# Altium PCB OLD_DIOT_temperature_logger.PcbDoc (part 4 of 6) (continued)
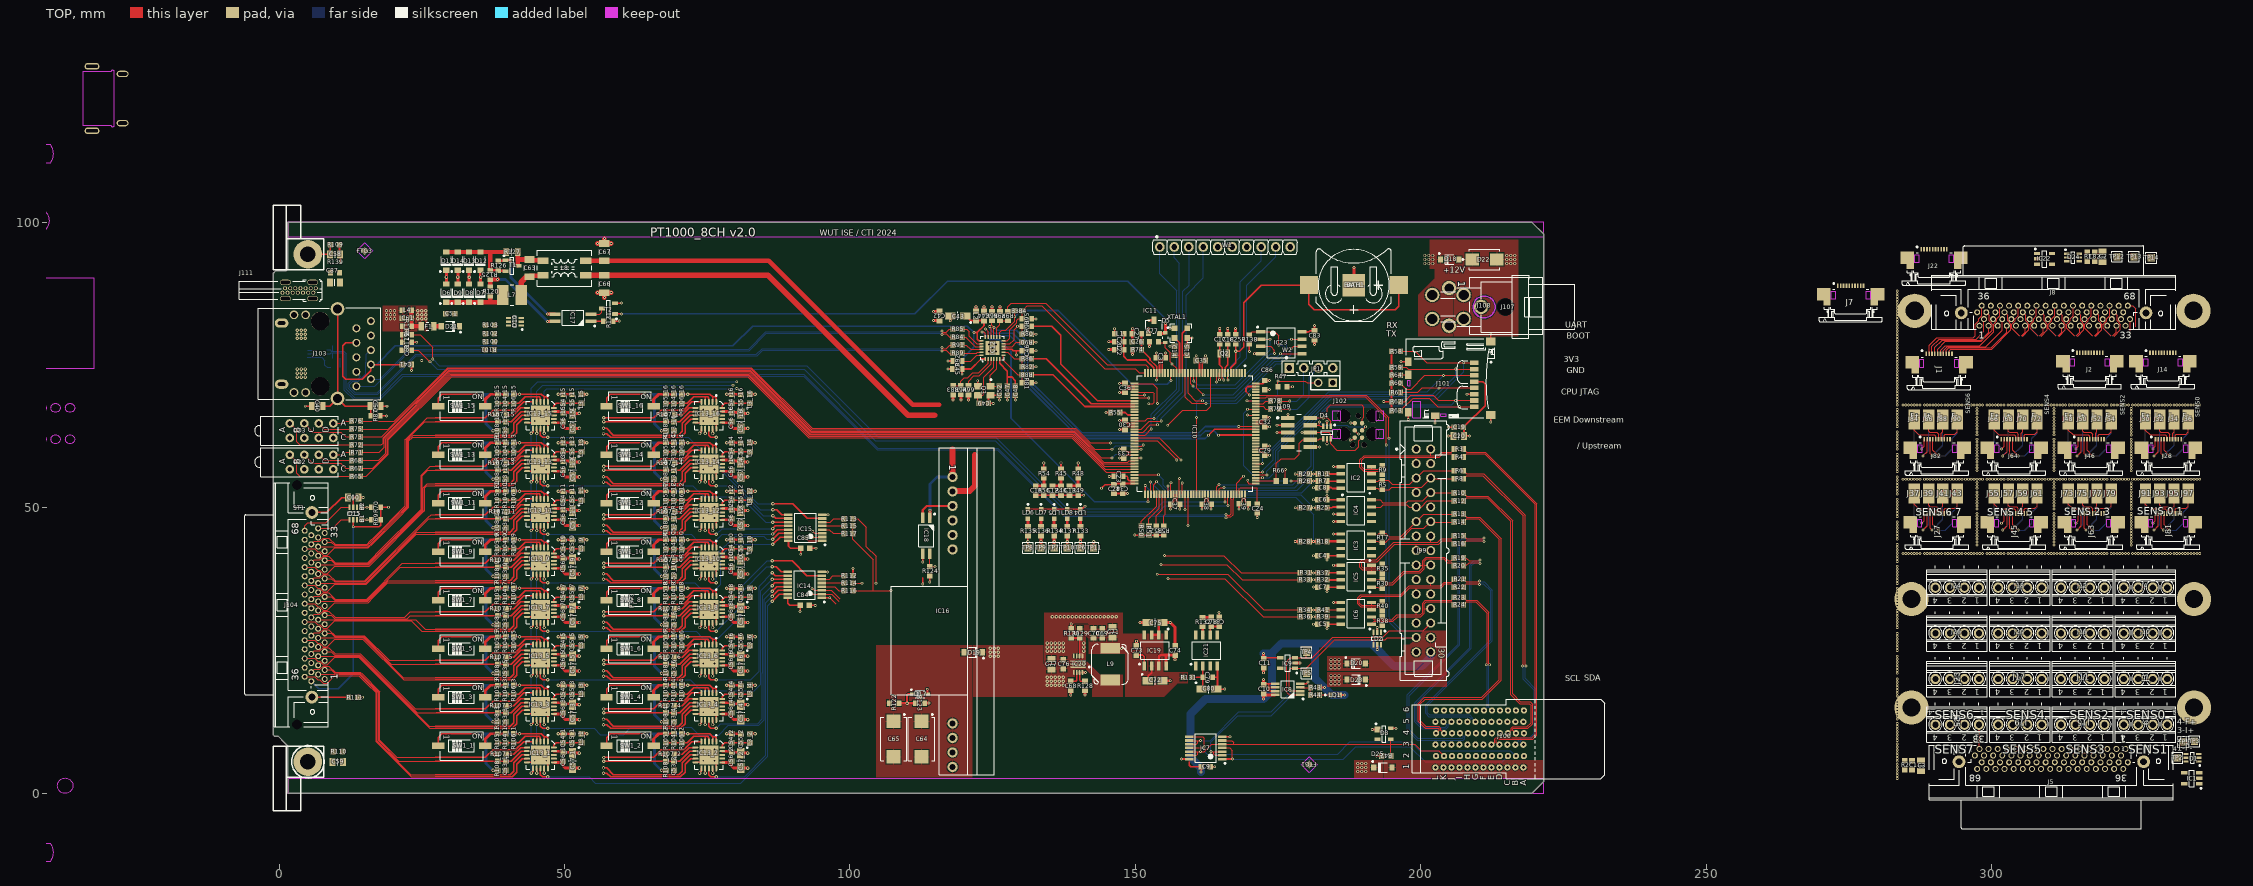
[diagram p0: TOP view]
## Nets (pads, with @x,y where several pads share a name; then routed paths per layer and width w, separated by ;. In a path a pad name is that pad's centre, name@x,y a point inside that pad or via, vN(x,y) a via of type N, cw(c..) or ccw(c..) an arc to the next point about the centre after c; other vN are vias at no path point) (continued)
LVDS1_N: IC2.1 J99.6 R5.1 R8.2 | length 16
  TOP w0.152: IC2.1@191.4,53.395 192.529,53.395 192.724,53.2 R5.1@193.3,53.2 194.5,53.2 194.938,53.638 200.208,53.638 J99.6@201.77,55.2 ; J99.6@201.27,55.2 J99.6@201.77,55.2 ; R8.2@205.9,55.1 201.87,55.1 J99.6@201.77,55.2
LVDS1_P: IC2.2 J99.5 R5.2 R6.2 | length 15.9
  TOP w0.152: IC2.2@191.4,54.665 192.589,54.665 192.724,54.8 R5.2@193.3,54.8 194.3,54.8 195.019,54.081 198.11,54.081 J99.5@199.23,55.2 200.53,56.5 R6.2@205.9,56.5
LVDS2_N: IC4.7 J99.9 R12.2 | length 15.3
  TOP w0.152: IC4.7@191.4,50.135 193.035,50.135 193.45,50.55 197.6,50.55 198.03,50.12 J99.9@199.23,50.12 200.07,50.12 201.15,51.2 R12.2@205.9,51.2
LVDS2_P: IC4.8 J99.8 R10.2 | length 15.4
  TOP w0.152: IC4.8@191.4,51.405 192.92,51.405 193.403,50.922 197.522,50.922 197.825,51.225 200.335,51.225 J99.8@201.77,52.66 J99.8@201.83,52.6 ; J99.8@201.33,52.6 201.77,52.6 205.4,52.6
LVDS3_N: IC3.3 J99.12 R14.2 R17.1 | length 16.1
  TOP w0.152: IC3.3@191.4,44.135 192.529,44.135 192.724,43.94 R17.1@193.3,43.94 193.876,43.94 194.524,44.588 196.668,44.588 198.455,46.375 200.565,46.375 J99.12@201.69,47.5 ; J99.12@201.35,47.5 J99.12@201.69,47.5 ; 205.4,47.5 J99.12@201.85,47.5 ; J99.12@201.69,47.5 J99.12@201.85,47.5 ; J99.12@201.69,47.5 J99.12@201.77,47.58 J99.12@201.85,47.5
LVDS3_P: IC3.4 J99.11 R13.2 R17.2 | length 16.5
  TOP w0.152: IC3.4@191.4,45.405 192.589,45.405 192.724,45.54 R17.2@193.3,45.54 193.876,45.54 194.524,44.892 196.542,44.892 J99.11@199.23,47.58 200.55,48.9 R13.2@205.9,48.9
LVDS4_N: IC5.4 J99.15 R16.2 R35.2 | length 24.9
  TOP w0.152: IC5.4@191.4,39.905 191.4,39.452 ; 191.976,39.452 191.4,39.452 ; R35.2@193.3,40.1 192.652,39.452 191.4,39.452 ; J99.15@199.23,42.5 199.23,43.646 ; R16.2@205.9,43.7 205.352,44.248 203.773,44.248 203.171,43.646 199.23,43.646 ; 191.4,39.452 189.923,39.452 189.675,39.7 189.675,40.35 189.875,40.55 192.38,40.55 195.476,43.646 199.23,43.646
LVDS4_P: IC5.3 J99.14 R15.2 R35.1 | length 25.3
  TOP w0.152: IC5.3@191.4,38.635 191.4,39.148 ; R35.1@193.3,38.5 192.652,39.148 191.4,39.148 ; J99.14@201.77,45.04 201.77,43.925 ; R15.2@205.9,45.1 205.352,44.552 203.647,44.552 203.02,43.925 201.77,43.925 ; 191.4,39.148 189.797,39.148 189.371,39.574 189.371,40.476 189.749,40.854 192.254,40.854 195.325,43.925 201.77,43.925
LVDS5_N: IC5.1 J99.18 R20.2 R30.1 | length 19
  TOP w0.152: IC5.1@191.4,36.095 192.529,36.095 192.724,35.9 R30.1@193.3,35.9 193.948,36.548 195.148,36.548 197.196,38.596 199.896,38.596 200.654,39.354 200.654,39.96 ; J99.18@201.77,39.96 200.654,39.96 ; R20.2@205.9,39.9 205.402,40.398 204.699,40.398 204.047,41.05 201.08,41.05 200.654,40.624 200.654,39.96
LVDS5_P: IC5.2 J99.17 R19.2 R30.2 | length 19
  TOP w0.152: IC5.2@191.4,37.365 192.589,37.365 192.724,37.5 R30.2@193.3,37.5 193.948,36.852 195.022,36.852 197.07,38.9 199.77,38.9 200.35,39.48 200.35,39.96 ; J99.17@199.23,39.96 200.35,39.96 ; R19.2@205.9,41.2 205.402,40.702 204.825,40.702 204.173,41.354 200.954,41.354 200.35,40.75 200.35,39.96
LVDS6_N: IC6.4 J99.21 R22.2 R40.2 | length 24.8
  TOP w0.152: IC6.4@191.4,33.405 191.4,32.904 ; R40.2@193.3,33.6 193.25,33.6 192.876,33.226 192.876,33.176 192.604,32.904 192.296,32.904 191.4,32.904 ; J99.21@199.23,34.88 199.23,36 ; R22.2@205.9,36.1 205.352,36.648 204.273,36.648 203.714,36.089 203.625,36 199.23,36 ; 191.4,32.904 189.646,32.904 189.275,33.275 189.275,34.1 189.675,34.5 196.63,34.5 198.13,36 199.23,36
LVDS6_P: IC6.3 J99.20 R21.2 R40.1 | length 25.8
  TOP w0.152: IC6.3@191.4,32.135 191.4,32.625 ; R40.1@193.3,32 193.25,32 192.876,32.374 192.876,32.424 192.675,32.625 192.307,32.625 191.4,32.625 ; J99.20@201.77,37.42 201.77,36.304 ; R21.2@205.9,37.5 205.352,36.952 204.147,36.952 203.499,36.304 201.77,36.304 ; 191.4,32.625 189.495,32.625 188.971,33.149 188.971,34.226 189.549,34.804 196.504,34.804 197.915,36.215 198.004,36.304 201.77,36.304
LVDS7_N: IC6.1 J99.24 R24.2 R38.1 | length 19.1
  TOP w0.152: IC6.1@191.4,29.595 191.883,30.078 193.331,30.078 ; R38.1@193.3,29.4 193.3,30.047 193.331,30.078 ; 200.7,32.34 J99.24@201.77,32.34 ; R24.2@205.9,33 205.9,33.05 205.452,33.498 200.973,33.498 200.629,33.154 200.629,32.34 200.629,31.522 200.057,30.95 199.23,30.95 195.955,30.95 195.083,30.078 193.331,30.078
LVDS7_P: IC6.2 J99.23 R23.2 R38.2 | length 19
  TOP w0.152: IC6.2@191.4,30.865 191.883,30.382 193.264,30.382 ; R38.2@193.3,31 193.293,30.993 193.293,30.411 193.264,30.382 ; J99.23@199.23,32.34 199.23,31.254 ; R23.2@205.9,34.3 205.9,34.25 205.452,33.802 200.847,33.802 200.35,33.305 200.35,32.34 200.35,31.638 199.967,31.254 199.23,31.254 ; 193.264,30.382 194.957,30.382 195.74,31.165 195.829,31.254 199.23,31.254
MAX_CH_A0: IC10.81 IC14.1 IC15.1 R31.1 | length 127.5
  TOP w0.2: v3(92.3,44.65) 92.725,44.225 IC15.1@95.15,44.225 ; v3(96.475,34.225) 97.5,33.2 ; v3(155.1,41.636) 165.514,41.636 168.55,38.6 R31.1@178.9,38.6 ; IC10.81@155.75,52.375 v3(155.75,53.8)
  TOP w0.3: IC14.1@95.05,34.225 v3(96.475,34.225)
  MID1 w0.2: v3(92.3,44.65) 91.9,44.25 91.9,35.075 92.75,34.225 v3(96.475,34.225) 97.35,34.225 100.65,37.525 104.675,37.525 105.425,36.775 105.425,35.35 106.428,34.347 152.6,34.347 155.1,36.847 v3(155.1,41.636) 155.1,53.15 v3(155.75,53.8)
MAX_CH_A1: IC10.82 IC14.2 IC15.2 R33.1 | length 129.7
  TOP w0.2: v3(93.4,34.875) IC14.2@95.05,34.875 96.825,34.875 98.075,33.625 ; v3(93.5,44.85) 93.525,44.875 IC15.2@95.15,44.875 ; v3(154.5,40.046) 166.079,40.046 168.725,37.4 R33.1@178.9,37.4 ; IC10.82@156.25,52.375 v3(156.25,54.375)
  MID1 w0.2: v3(93.5,44.85) 92.525,43.875 92.525,35.725 93.375,34.875 v3(93.4,34.875) 97.35,34.875 100.5,38.025 104.9,38.025 105.825,37.1 105.825,35.473 106.65,34.648 152.475,34.648 154.5,36.673 v3(154.5,40.046) 154.5,53.676 155.199,54.375 v3(156.25,54.375)
MAX_CH_A2: IC10.85 IC14.3 IC15.3 R34.1 | length 135.6
  TOP w0.2: v3(93.4,35.875) 93.75,35.525 IC14.3@95.05,35.525 96.775,35.525 98.25,34.05 ; v3(93.5,45.875) 93.55,45.825 93.55,45.8 93.825,45.525 IC15.3@95.15,45.525 ; v3(153.85,38.35) 166.25,38.35 172.5,32.1 R34.1@178.9,32.1 ; IC10.85@157.75,52.375 v3(157.75,55.125)
  MID1 w0.2: v3(93.5,45.875) 94.025,45.875 94.3,45.6 94.3,44.45 93,43.15 93,36.275 v3(93.4,35.875) 97.7,35.875 100.25,38.425 105.35,38.425 106.2,37.575 106.2,35.525 106.775,34.95 152.35,34.95 153.85,36.45 153.85,53.675 155.3,55.125 v3(157.75,55.125)
MAX_CH_A3: IC10.86 R36.1 R113.1 R114.1 | length 118.5
  TOP w0.2: R114.1@100.55,36.8 102.125,36.8 v3(102.15,36.775) ; R113.1@100.55,48.049 101.426,48.049 102.875,46.6 102.875,43.2 104.61,41.465 v3(104.61,36.775) ; v3(155.727,37.6) 165.725,37.6 172.425,30.9 R36.1@178.911,30.9 ; IC10.86@158.25,52.375 v3(158.25,54.35)
  MID1 w0.2: v3(102.15,36.775) v3(104.61,36.775) 104.61,35.415 106.101,33.924 152.699,33.924 155.725,36.95 155.725,52.275 157.8,54.35 v3(158.25,54.35)
MAX_CS00: IC13_1.13 IC14.15 | length 74.2
  TOP w0.254: IC13_1.13@45.8,4.35 45.8,3.225 46.175,2.85 v4(47.1,2.85) ; v4(86.4,33.6) 87.675,34.875 IC14.15@89.15,34.875
  BOT w0.2: v4(47.1,2.85) 54.325,2.85 55.4,1.775 80.9,1.775 85.608,6.483 85.608,13.728 85.608,20.7 85.608,32.808 v4(86.4,33.6)
MAX_CS01: IC13_2.13 IC14.14 | length 44.3
  TOP w0.254: IC13_2.13@75.3,4.35 75.3,3.225 75.675,2.85 v4(76.6,2.85) ; v4(86.4,34.467) 87.458,35.525 IC14.14@89.15,35.525
  BOT w0.2: v4(76.6,2.85) 81.548,2.85 85.306,6.608 85.306,13.501 85.306,33.373 v4(86.4,34.467)
MAX_CS02: IC13_3.13 IC14.13 | length 69.3
  TOP w0.254: IC13_3.13@45.8,12.85 45.8,11.725 46.175,11.35 v4(47.1,11.35) ; v4(86.4,35.4) 87.175,36.175 IC14.13@89.15,36.175
  BOT w0.2: v4(47.1,11.35) 55.2,11.35 56.3,10.25 60.361,10.25 61.636,11.525 72.225,11.525 73.6,10.15 77,10.15 78.723,11.873 83.973,11.873 84.025,11.925 85,12.9 85,20.945 85.005,20.95 85.005,34.005 v4(86.4,35.4)
MAX_CS03: IC13_4.13 IC14.12 | length 38.4
  TOP w0.254: IC13_4.13@75.3,12.85 75.3,11.725 75.675,11.35 v4(76.6,11.35) ; v4(86.4,36.36) 86.865,36.825 IC14.12@89.15,36.825
  BOT w0.2: v4(76.6,11.35) 77.425,12.175 83.848,12.175 84.698,13.025 84.698,21.07 84.703,21.075 84.703,34.663 v4(86.4,36.36)
MAX_CS04: IC13_5.13 IC14.11 | length 63.1
  TOP w0.254: IC13_5.13@45.8,21.35 45.8,20.225 46.175,19.85 v4(47.1,19.85) ; v4(86.4,37.448) 86.427,37.475 IC14.11@89.15,37.475
  BOT w0.2: v4(47.1,19.85) 72.05,19.85 73.95,17.95 83.275,17.95 84.397,19.072 84.397,21.195 84.402,21.2 84.402,35.45 v4(86.4,37.448)
MAX_CS05: IC13_6.13 IC14.10 | length 31.9
  TOP w0.254: IC13_6.13@75.3,21.35 75.3,20.225 75.675,19.85 v4(76.6,19.85) ; v4(86.427,38.6) 86.902,38.125 IC14.10@89.15,38.125
  BOT w0.2: v4(76.6,19.85) 82.625,19.85 84.1,21.325 84.1,36.273 v4(86.427,38.6)
MAX_CS06: IC13_7.13 IC14.9 | length 52.9
  TOP w0.254: IC13_7.13@45.8,29.85 45.8,28.725 46.175,28.35 v4(47.1,28.35) ; v4@86.427,39.65 87.075,39.65 87.95,38.775 IC14.9@89.15,38.775
  BOT w0.2: v4(47.1,28.35) 73.075,28.35 74.168,27.257 77.057,27.257 81.052,31.252 81.052,35.226 85.477,39.651 v4(86.427,39.651)
MAX_CS07: IC13_8.13 IC14.7 | length 29.2
  TOP w0.254: IC13_8.13@75.3,29.85 75.3,28.725 75.675,28.35 v4(76.6,28.35) ; v4(86.427,40.702) 89.898,40.702 92.475,38.125 IC14.7@95.05,38.125
  BOT w0.2: v4(76.6,28.35) 80.75,32.5 80.75,35.875 85.577,40.702 v4(86.427,40.702)
MAX_CS08: IC13_9.13 IC15.15 | length 51.9
  TOP w0.254: IC13_9.13@45.8,38.35 45.8,37.225 46.175,36.85 v4(47.1,36.85) ; v4(86.5,43.6) 87.775,44.875 IC15.15@89.25,44.875
  BOT w0.2: v4(47.1,36.85) 72.859,36.85 73.989,35.72 76.475,35.72 77.4,36.645 77.4,41.607 79.393,43.6 v4(86.5,43.6)
MAX_CS09: IC13_10.13 IC15.14 | length 22.1
  TOP w0.254: IC13_10.13@75.3,38.35 75.3,37.225 75.675,36.85 v4(76.6,36.85) ; v4(86.5,44.467) 87.558,45.525 IC15.14@89.25,45.525
  BOT w0.2: v4(76.6,36.85) 76.6,41.732 79.893,45.025 84.908,45.025 85.467,44.467 v4(86.5,44.467)
MAX_CS10: IC13_11.13 IC15.13 | length 46.1
  TOP w0.254: IC13_11.13@45.8,46.85 45.8,45.725 46.175,45.35 v4(47.1,45.35) ; v4(86.5,45.4) 87.275,46.175 IC15.13@89.25,46.175
  BOT w0.2: v4(47.1,45.35) 72.188,45.35 73.399,44.139 76.414,44.139 77.675,45.4 v4(86.5,45.4)
MAX_CS11: IC13_12.13 IC15.12 | length 15.8
  TOP w0.254: IC13_12.13@75.3,46.85 75.3,45.725 75.675,45.35 v4(76.6,45.35) ; v4(86.5,46.36) 86.965,46.825 IC15.12@89.25,46.825
  BOT w0.2: v4(76.6,45.35) 77.61,46.36 v4(86.5,46.36)
MAX_CS12: IC13_13.13 IC15.11 | length 47.4
  TOP w0.254: IC13_13.13@45.8,55.35 45.8,54.225 46.175,53.85 v4(47.1,53.85) ; v4(86.5,47.448) 86.527,47.475 IC15.11@89.25,47.475
  BOT w0.2: v4(47.1,53.85) 72.523,53.85 74.437,51.936 80.789,51.936 85.277,47.448 v4(86.5,47.448)
MAX_CS13: IC13_14.13 IC15.10 | length 17.6
  TOP w0.254: IC13_14.13@75.3,55.35 75.3,54.225 75.675,53.85 v4(76.6,53.85) ; v4(86.527,48.6) 87.002,48.125 IC15.10@89.25,48.125
  BOT w0.2: v4(76.6,53.85) 79.55,53.85 84.8,48.6 v4(86.527,48.6)
MAX_CS14: IC13_15.13 IC15.9 | length 50.4
  TOP w0.254: IC13_15.13@45.8,63.85 45.8,62.725 46.175,62.35 v4(47.1,62.35) ; v4@86.527,49.65 87.175,49.65 88.05,48.775 IC15.9@89.25,48.775
  BOT w0.2: v4(47.1,62.35) 71.65,62.35 84.349,49.651 v4(86.527,49.651)
MAX_CS15: IC13_16.13 IC15.7 | length 29.6
  TOP w0.254: IC13_16.13@75.3,63.85 75.3,62.725 75.675,62.35 v4(76.6,62.35) ; v4(86.527,50.702) 89.998,50.702 92.575,48.125 IC15.7@95.15,48.125
  BOT w0.2: v4(76.6,62.35) 76.6,60.4 76.6,57.975 83.873,50.702 v4(86.527,50.702)
NetC2_2: C2.2 J5.70
NetC3_2: C3.2 J8.70
NetC14_1: C14.1 IC10.24 XTAL1.3 | length 9.3
  TOP w0.3: C14.1@156.9,76.7 157.723,76.7 157.75,76.673 157.75,78.9 XTAL1.3@156.9,79.75 ; IC10.24@157.75,73.625 157.75,78.673
NetC15_1: C15.1 IC10.23 XTAL1.1 | length 11
  TOP w0.3: IC10.23@158.25,73.625 158.25,78.673 ; C15.1@159.1,76.7 158.277,76.7 158.25,76.673 158.25,80.6 XTAL1.1@159.1,81.45
NetC23_2: C23.2 IC10.71 | length 2.5
  TOP w0.254: C23.2@147.85,55.5 148.576,55.5 148.725,55.351 148.725,55 148.975,54.75 IC10.71@149.875,54.75
NetC24_2: C24.2 IC10.106 | length 7
  TOP w0.2: IC10.106@168.25,52.375 168.25,53.4 168.4,53.55 171.25,53.55 171.4,53.4 C24.2@171.4,50.65
NetC40_1: C40.1 C50.1 J103.S1 J103.S2 R87.2 | length 27
  TOP w0.254: C40.1@7.6,67.8 8.895,67.8 J103.S2@10.25,69.155 ; J103.S1@10.25,84.845 J103.S2@10.25,69.155 ; R87.2@16.1,66.1 16.1,67.7 C50.1@16,67.8 11.605,67.8 J103.S2@10.25,69.155
NetC47_2: C47.2 C48.2 IC12.6 | length 8
  TOP w0.3: IC12.6@126.25,76.1 126.25,75.3 127.6,73.95 127.6,72.906 ; C47.2@127.6,71.3 127.6,72.906 ; C48.2@129,71.3 129,72.273 128.348,72.925 127.619,72.925 127.6,72.906
NetC49_2: C49.2 IC12.4 Q3.3 | length 9.6
  TOP w0.2: C49.2@122.7,68.3 122.425,68.575 Q3.3@122.425,69.711 123.286,69.711 123.5,69.925 123.5,72.9 125.25,74.65 IC12.4@125.25,76.1
NetC52_2: C52.2 IC12.5 Q3.1 | length 7
  TOP w0.2: IC12.5@125.75,76.1 125.75,74.375 124.625,73.25 Q3.1@124.625,71.311 124.636,71.3 126.025,71.3 C52.2@126.2,71.3 126.189,71.311 C52.2@126.025,71.311
NetC58_1: C58.1 R109.2 ST1.1 | length 5.6
  TOP w0.254: ST1.1@5.056,94.412 8.888,94.412 9,94.524 R109.2@9,96.1
NetC59_1: C59.1 R110.2
NetC60_2: C60.2 J104.70 | length 7.4
  TOP w0.254: J104.70@5.75,49.175 8.359,49.175 10.984,51.8 C60.2@12.1,51.8
NetC61_2: C61.2 D16.5 F1.1 L4.1 R118.2 | length 11.9
  TOP w0.8: L4.1@23.2,84.6 C61.2@23.2,83.2 R118.2@23.2,81.8 F1.1@24.9,81.8
  MID1 w0.127: v3(25,75.825) v2@25,83.2
  other v2: 24.3,83.125 25,83.125 25.7,83.125 24.3,83.825 25,83.825 25.7,83.825 24.3,84.525 25,84.525 25.7,84.525
NetC63_1: C63.1 L8.1 R127.2 T1.3 | length 6.9
  TOP w0.8: R127.2@41.8,94.8 41.8,93.5 ; T1.3@41.825,92.5 41.825,92.525 41.8,92.55 41.8,93.5 ; L8.1@46.25,93.27 46.135,93.385 44.015,93.385 C63.1@43.9,93.5 41.8,93.5
NetC63_2: C63.2 L7.2 L8.2 | length 6.2
  TOP w0.8: C63.2@44.015,90.615 46.135,90.615 L8.2@46.25,90.73
  TOP w1: L7.2@42.4,87.3 L7.2@42.732,87.632 ; L7.2@42.425,88 42.425,89.549 43.377,90.5 C63.2@43.9,90.5
NetC66_2: C66.2 IC16.1 IC18.1 L8.3 | length 86.5
  TOP w0.5: IC18.1@114.035,48.25 v1(114.035,49.575)
  TOP w1: L8.3@53.75,90.73 57,90.73 85.645,90.73 110.175,66.2 114.85,66.2 ; IC16.1@118,55.406 118,60.225
  BOT w0.5: v1(114.035,49.575) 114.035,54.16 115.281,55.406 IC16.1@118,55.406
NetC67_2: C67.2 IC16.2 L8.4 | length 82.1
  TOP w0.8: L8.4@53.75,93.27 57,93.27 85.78,93.27 111,68.05 115.675,68.05
  TOP w1: IC16.2@118,52.866 118.077,52.943 121.018,52.943 121.9,53.825 121.9,59.25
NetC68_2: C68.2 IC20.9 | length 2.4
  TOP w0.254: C68.2@138.8,19.6 139.6,19.6 139.75,19.75 IC20.9@139.75,21.15
NetC73_2: C73.2 IC19.1 | length 3.1
  TOP w0.3: C73.2@150.2,24.2 151.3,24.2 151.595,23.905 IC19.1@151.595,22.3
NetC78_2: C78.2 R132.2 | length 1.5
  TOP w0.5: R132.2@161.8,30.8 C78.2@163.3,30.8
NetC79_2: C79.2 C80.1 IC21.2 R131.2 | length 6.1
  TOP w0.254: R131.2@160,20.3 C79.2@161.865,20.3 ; C80.1@161.6,18.225 161.865,18.49 C79.2@161.865,20.3 ; IC21.2@161.865,22.3 C79.2@161.865,20.3 ; C79.2@161.9,20.3 C79.2@161.865,20.3
NetC87_2: C87.2 J111.SHIELD R139.1
NetIC2_6: IC2.6 R11.2 | length 2.4
  TOP w0.3: R11.2@183.6,55.9 183.635,55.935 IC2.6@186,55.935
NetIC2_7: IC2.7 R7.2 | length 2.4
  TOP w0.3: R7.2@183.6,54.7 183.635,54.665 IC2.7@186,54.665
NetIC3_6: IC3.6 R18.2 | length 2.4
  TOP w0.2: R18.2@183.6,44.1 R18.2@183.635,44.135
  TOP w0.5: R18.2@183.635,44.135 IC3.6@186,44.135
NetIC4_2: IC4.2 R25.2 | length 2.5
  TOP w0.3: R25.2@183.6,50 184.465,50 184.6,50.135 IC4.2@186,50.135
NetIC5_6: IC5.6 R37.2 | length 2.4
  TOP w0.3: R37.2@183.6,38.6 183.635,38.635 IC5.6@186,38.635
NetIC5_7: IC5.7 R32.2 | length 2.4
  TOP w0.3: R32.2@183.6,37.4 183.635,37.365 IC5.7@186,37.365
NetIC6_6: IC6.6 R41.2 | length 2.4
  TOP w0.127: R41.2@183.6,32.1 183.635,32.135 IC6.6@186,32.135
NetIC6_7: IC6.7 R39.2 | length 2.4
  TOP w0.127: R39.2@183.6,30.9 183.635,30.865 IC6.7@186,30.865
NetIC8_3: IC8.3 R43.1 R44.1 | length 3.1
  TOP w0.127: IC8.3@178.9,18.525 178.925,18.5 R43.1@180.7,18.5 R44.1@180.7,17.2
NetIC10_48: IC10.48 R55.1 | length 2.8
  TOP w0.3: R55.1@147.3,66.7 148.25,66.7 148.7,66.25 IC10.48@149.875,66.25
NetIC12_7: IC12.7 R81.1 R88.2 | length 6.7
  TOP w0.2: IC12.7@126.9,76.75 126.9,75.825 129.425,73.3 R88.2@130.2,73.3 R81.1@130.2,71.9
NetIC12_8: IC12.8 R82.1 R86.2 | length 5.2
  TOP w0.2: IC12.8@126.9,77.25 127.65,77.25 128.8,76.1 R86.2@130.2,76.1 R82.1@130.2,74.7
NetIC12_10: IC12.10 R90.2 | length 3.6
  TOP w0.2: IC12.10@126.9,78.25 128.425,78.25 129.175,79 R90.2@130.2,79
NetIC12_11: IC12.11 R80.1 R93.2 | length 7
  TOP w0.2: IC12.11@126.9,78.75 128.05,78.75 128.775,79.475 128.775,81.175 v1(129.4,81.8) R93.2@130.2,81.8 R80.1@130.2,80.4
NetIC12_14: IC12.14 R96.2 R97.2 | length 4.5
  TOP w0.2: IC12.14@125.75,79.9 125.75,81.55 126.3,82.1 R96.2@126.3,82.8 R97.2@127.7,82.8
NetIC12_24: IC12.24 R92.1 | length 3.9
  TOP w0.2: R92.1@119.65,75.7 121.175,75.7 122.225,76.75 IC12.24@123.1,76.75
NetIC13_1_1: IC13_1.1 IC13_1.2 R106_1.1 R108_1.1 SW1_1.1 | length 31.6
  TOP w0.254: SW1_1.1@27.875,8.3 27.875,9.725 28.55,10.4 v2(34.6,10.4) ; R106_1.1@40.958,10.4 R106_1.1@41.1,10.4 v4(42.125,10.4) 45.975,10.4 46.45,9.925 ; IC13_1.2@46.45,9.05 46.45,9.925 ; IC13_1.1@47.1,9.05 47.1,9.715 46.89,9.925 46.45,9.925
  TOP w0.5: v4(37.5,4) R108_1.1@38.3,4
  BOT w0.5: v2(34.6,10.4) 36.275,10.4 ; v4(37.5,4) 36.275,5.225 36.275,10.4 ; v4(42.125,10.4) 36.275,10.4
NetIC13_1_3: IC13_1.3 IC13_1.4 R104_1.2 R105_1.2 R106_1.2 | length 9.6
  TOP w0.254: R105_1.2@38.3,8.8 R104_1.2@39.7,8.8 R106_1.2@41.1,8.8 42.025,8.8 43.175,9.95 45.15,9.95 ; IC13_1.4@45.15,9.05 45.15,9.95 ; IC13_1.3@45.8,9.05 45.8,9.725 45.575,9.95 45.15,9.95
NetIC13_1_6: IC13_1.6 R107_1.2 | length 4.1
  TOP w0.254: R107_1.2@39.8,6.8 41.15,6.8 42.35,8 IC13_1.6@43.45,8
NetIC13_2_1: IC13_2.1 IC13_2.2 R106_2.1 R108_2.1 SW1_2.1 | length 31.6
  TOP w0.254: SW1_2.1@57.375,8.3 57.375,9.725 58.05,10.4 v2(64.1,10.4) ; R106_2.1@70.458,10.4 R106_2.1@70.6,10.4 v4(71.625,10.4) 75.475,10.4 75.95,9.925 ; IC13_2.2@75.95,9.05 75.95,9.925 ; IC13_2.1@76.6,9.05 76.6,9.715 76.39,9.925 75.95,9.925
  TOP w0.5: v4(67,4) R108_2.1@67.8,4
  BOT w0.5: v2(64.1,10.4) 65.775,10.4 ; v4(67,4) 65.775,5.225 65.775,10.4 ; v4(71.625,10.4) 65.775,10.4
NetIC13_2_3: IC13_2.3 IC13_2.4 R104_2.2 R105_2.2 R106_2.2 | length 9.6
  TOP w0.254: R105_2.2@67.8,8.8 R104_2.2@69.2,8.8 R106_2.2@70.6,8.8 71.525,8.8 72.675,9.95 74.65,9.95 ; IC13_2.4@74.65,9.05 74.65,9.95 ; IC13_2.3@75.3,9.05 75.3,9.725 75.075,9.95 74.65,9.95
NetIC13_2_6: IC13_2.6 R107_2.2 | length 4.1
  TOP w0.254: R107_2.2@69.3,6.8 70.65,6.8 71.85,8 IC13_2.6@72.95,8
NetIC13_3_1: IC13_3.1 IC13_3.2 R106_3.1 R108_3.1 SW1_3.1 | length 31.6
  TOP w0.254: SW1_3.1@27.875,16.8 27.875,18.225 28.55,18.9 v2(34.6,18.9) ; R106_3.1@40.958,18.9 R106_3.1@41.1,18.9 v4(42.125,18.9) 45.975,18.9 46.45,18.425 ; IC13_3.2@46.45,17.55 46.45,18.425 ; IC13_3.1@47.1,17.55 47.1,18.215 46.89,18.425 46.45,18.425
  TOP w0.5: v4(37.5,12.5) R108_3.1@38.3,12.5
  BOT w0.5: v2(34.6,18.9) 36.275,18.9 ; v4(37.5,12.5) 36.275,13.725 36.275,18.9 ; v4(42.125,18.9) 36.275,18.9
NetIC13_3_3: IC13_3.3 IC13_3.4 R104_3.2 R105_3.2 R106_3.2 | length 9.6
  TOP w0.254: R105_3.2@38.3,17.3 R104_3.2@39.7,17.3 R106_3.2@41.1,17.3 42.025,17.3 43.175,18.45 45.15,18.45 ; IC13_3.4@45.15,17.55 45.15,18.45 ; IC13_3.3@45.8,17.55 45.8,18.225 45.575,18.45 45.15,18.45
NetIC13_3_6: IC13_3.6 R107_3.2 | length 4.1
  TOP w0.254: R107_3.2@39.8,15.3 41.15,15.3 42.35,16.5 IC13_3.6@43.45,16.5
NetIC13_4_1: IC13_4.1 IC13_4.2 R106_4.1 R108_4.1 SW1_4.1 | length 31.6
  TOP w0.254: SW1_4.1@57.375,16.8 57.375,18.225 58.05,18.9 v2(64.1,18.9) ; R106_4.1@70.458,18.9 R106_4.1@70.6,18.9 v4(71.625,18.9) 75.475,18.9 75.95,18.425 ; IC13_4.2@75.95,17.55 75.95,18.425 ; IC13_4.1@76.6,17.55 76.6,18.215 76.39,18.425 75.95,18.425
  TOP w0.5: v4(67,12.5) R108_4.1@67.8,12.5
  BOT w0.5: v2(64.1,18.9) 65.775,18.9 ; v4(67,12.5) 65.775,13.725 65.775,18.9 ; v4(71.625,18.9) 65.775,18.9
NetIC13_4_3: IC13_4.3 IC13_4.4 R104_4.2 R105_4.2 R106_4.2 | length 9.6
  TOP w0.254: R105_4.2@67.8,17.3 R104_4.2@69.2,17.3 R106_4.2@70.6,17.3 71.525,17.3 72.675,18.45 74.65,18.45 ; IC13_4.4@74.65,17.55 74.65,18.45 ; IC13_4.3@75.3,17.55 75.3,18.225 75.075,18.45 74.65,18.45
NetIC13_4_6: IC13_4.6 R107_4.2 | length 4.1
  TOP w0.254: R107_4.2@69.3,15.3 70.65,15.3 71.85,16.5 IC13_4.6@72.95,16.5
NetIC13_5_1: IC13_5.1 IC13_5.2 R106_5.1 R108_5.1 SW1_5.1 | length 31.6
  TOP w0.254: SW1_5.1@27.875,25.3 27.875,26.725 28.55,27.4 v2(34.6,27.4) ; R106_5.1@40.958,27.4 R106_5.1@41.1,27.4 v4(42.125,27.4) 45.975,27.4 46.45,26.925 ; IC13_5.2@46.45,26.05 46.45,26.925 ; IC13_5.1@47.1,26.05 47.1,26.715 46.89,26.925 46.45,26.925
  TOP w0.5: v4(37.5,21) R108_5.1@38.3,21
  BOT w0.5: v2(34.6,27.4) 36.275,27.4 ; v4(37.5,21) 36.275,22.225 36.275,27.4 ; v4(42.125,27.4) 36.275,27.4
NetIC13_5_3: IC13_5.3 IC13_5.4 R104_5.2 R105_5.2 R106_5.2 | length 9.6
  TOP w0.254: R105_5.2@38.3,25.8 R104_5.2@39.7,25.8 R106_5.2@41.1,25.8 42.025,25.8 43.175,26.95 45.15,26.95 ; IC13_5.4@45.15,26.05 45.15,26.95 ; IC13_5.3@45.8,26.05 45.8,26.725 45.575,26.95 45.15,26.95
NetIC13_5_6: IC13_5.6 R107_5.2 | length 4.1
  TOP w0.254: R107_5.2@39.8,23.8 41.15,23.8 42.35,25 IC13_5.6@43.45,25
NetIC13_6_1: IC13_6.1 IC13_6.2 R106_6.1 R108_6.1 SW1_6.1 | length 31.6
  TOP w0.254: SW1_6.1@57.375,25.3 57.375,26.725 58.05,27.4 v2(64.1,27.4) ; R106_6.1@70.458,27.4 R106_6.1@70.6,27.4 v4(71.625,27.4) 75.475,27.4 75.95,26.925 ; IC13_6.2@75.95,26.05 75.95,26.925 ; IC13_6.1@76.6,26.05 76.6,26.715 76.39,26.925 75.95,26.925
  TOP w0.5: v4(67,21) R108_6.1@67.8,21
  BOT w0.5: v2(64.1,27.4) 65.775,27.4 ; v4(67,21) 65.775,22.225 65.775,27.4 ; v4(71.625,27.4) 65.775,27.4
NetIC13_6_3: IC13_6.3 IC13_6.4 R104_6.2 R105_6.2 R106_6.2 | length 9.6
  TOP w0.254: R105_6.2@67.8,25.8 R104_6.2@69.2,25.8 R106_6.2@70.6,25.8 71.525,25.8 72.675,26.95 74.65,26.95 ; IC13_6.4@74.65,26.05 74.65,26.95 ; IC13_6.3@75.3,26.05 75.3,26.725 75.075,26.95 74.65,26.95
NetIC13_6_6: IC13_6.6 R107_6.2 | length 4.1
  TOP w0.254: R107_6.2@69.3,23.8 70.65,23.8 71.85,25 IC13_6.6@72.95,25
NetIC13_7_1: IC13_7.1 IC13_7.2 R106_7.1 R108_7.1 SW1_7.1 | length 31.6
  TOP w0.254: SW1_7.1@27.875,33.8 27.875,35.225 28.55,35.9 v2(34.6,35.9) ; R106_7.1@40.958,35.9 R106_7.1@41.1,35.9 v4(42.125,35.9) 45.975,35.9 46.45,35.425 ; IC13_7.2@46.45,34.55 46.45,35.425 ; IC13_7.1@47.1,34.55 47.1,35.215 46.89,35.425 46.45,35.425
  TOP w0.5: v4(37.5,29.5) R108_7.1@38.3,29.5
  BOT w0.5: v2(34.6,35.9) 36.275,35.9 ; v4(37.5,29.5) 36.275,30.725 36.275,35.9 ; v4(42.125,35.9) 36.275,35.9
NetIC13_7_3: IC13_7.3 IC13_7.4 R104_7.2 R105_7.2 R106_7.2 | length 9.6
  TOP w0.254: R105_7.2@38.3,34.3 R104_7.2@39.7,34.3 R106_7.2@41.1,34.3 42.025,34.3 43.175,35.45 45.15,35.45 ; IC13_7.4@45.15,34.55 45.15,35.45 ; IC13_7.3@45.8,34.55 45.8,35.225 45.575,35.45 45.15,35.45
NetIC13_7_6: IC13_7.6 R107_7.2 | length 4.1
  TOP w0.254: R107_7.2@39.8,32.3 41.15,32.3 42.35,33.5 IC13_7.6@43.45,33.5
NetIC13_8_1: IC13_8.1 IC13_8.2 R106_8.1 R108_8.1 SW1_8.1 | length 31.6
  TOP w0.254: SW1_8.1@57.375,33.8 57.375,35.225 58.05,35.9 v2(64.1,35.9) ; R106_8.1@70.458,35.9 R106_8.1@70.6,35.9 v4(71.625,35.9) 75.475,35.9 75.95,35.425 ; IC13_8.2@75.95,34.55 75.95,35.425 ; IC13_8.1@76.6,34.55 76.6,35.215 76.39,35.425 75.95,35.425
  TOP w0.5: v4(67,29.5) R108_8.1@67.8,29.5
  BOT w0.5: v2(64.1,35.9) 65.775,35.9 ; v4(67,29.5) 65.775,30.725 65.775,35.9 ; v4(71.625,35.9) 65.775,35.9
NetIC13_8_3: IC13_8.3 IC13_8.4 R104_8.2 R105_8.2 R106_8.2 | length 9.6
  TOP w0.254: R105_8.2@67.8,34.3 R104_8.2@69.2,34.3 R106_8.2@70.6,34.3 71.525,34.3 72.675,35.45 74.65,35.45 ; IC13_8.4@74.65,34.55 74.65,35.45 ; IC13_8.3@75.3,34.55 75.3,35.225 75.075,35.45 74.65,35.45
NetIC13_8_6: IC13_8.6 R107_8.2 | length 4.1
  TOP w0.254: R107_8.2@69.3,32.3 70.65,32.3 71.85,33.5 IC13_8.6@72.95,33.5
NetIC13_9_1: IC13_9.1 IC13_9.2 R106_9.1 R108_9.1 SW1_9.1 | length 31.6
  TOP w0.254: SW1_9.1@27.875,42.3 27.875,43.725 28.55,44.4 v2(34.6,44.4) ; R106_9.1@40.958,44.4 R106_9.1@41.1,44.4 v4(42.125,44.4) 45.975,44.4 46.45,43.925 ; IC13_9.2@46.45,43.05 46.45,43.925 ; IC13_9.1@47.1,43.05 47.1,43.715 46.89,43.925 46.45,43.925
  TOP w0.5: v4(37.5,38) R108_9.1@38.3,38
  BOT w0.5: v2(34.6,44.4) 36.275,44.4 ; v4(37.5,38) 36.275,39.225 36.275,44.4 ; v4(42.125,44.4) 36.275,44.4
NetIC13_9_3: IC13_9.3 IC13_9.4 R104_9.2 R105_9.2 R106_9.2 | length 9.6
  TOP w0.254: R105_9.2@38.3,42.8 R104_9.2@39.7,42.8 R106_9.2@41.1,42.8 42.025,42.8 43.175,43.95 45.15,43.95 ; IC13_9.4@45.15,43.05 45.15,43.95 ; IC13_9.3@45.8,43.05 45.8,43.725 45.575,43.95 45.15,43.95
NetIC13_9_6: IC13_9.6 R107_9.2 | length 4.1
  TOP w0.254: R107_9.2@39.8,40.8 41.15,40.8 42.35,42 IC13_9.6@43.45,42
NetIC13_10_1: IC13_10.1 IC13_10.2 R106_10.1 R108_10.1 SW1_10.1 | length 31.6
  TOP w0.254: SW1_10.1@57.375,42.3 57.375,43.725 58.05,44.4 v2(64.1,44.4) ; R106_10.1@70.458,44.4 R106_10.1@70.6,44.4 v4(71.625,44.4) 75.475,44.4 75.95,43.925 ; IC13_10.2@75.95,43.05 75.95,43.925 ; IC13_10.1@76.6,43.05 76.6,43.715 76.39,43.925 75.95,43.925
  TOP w0.5: v4(67,38) R108_10.1@67.8,38
  BOT w0.5: v2(64.1,44.4) 65.775,44.4 ; v4(67,38) 65.775,39.225 65.775,44.4 ; v4(71.625,44.4) 65.775,44.4